# Altium PCB GND_Studio_PCB.PcbDoc (part 1 of 2)
Units mm, origin at the board's own origin, x right, y up, seen from the top; angles counter-clockwise.
Board outline 152.4 x 101.6 mm, 2 copper layers (Top Layer, Bottom Layer); 74 components, 140 nets, 477 pads, 95 vias.
Unrouted connection lines stored in the file: 3.
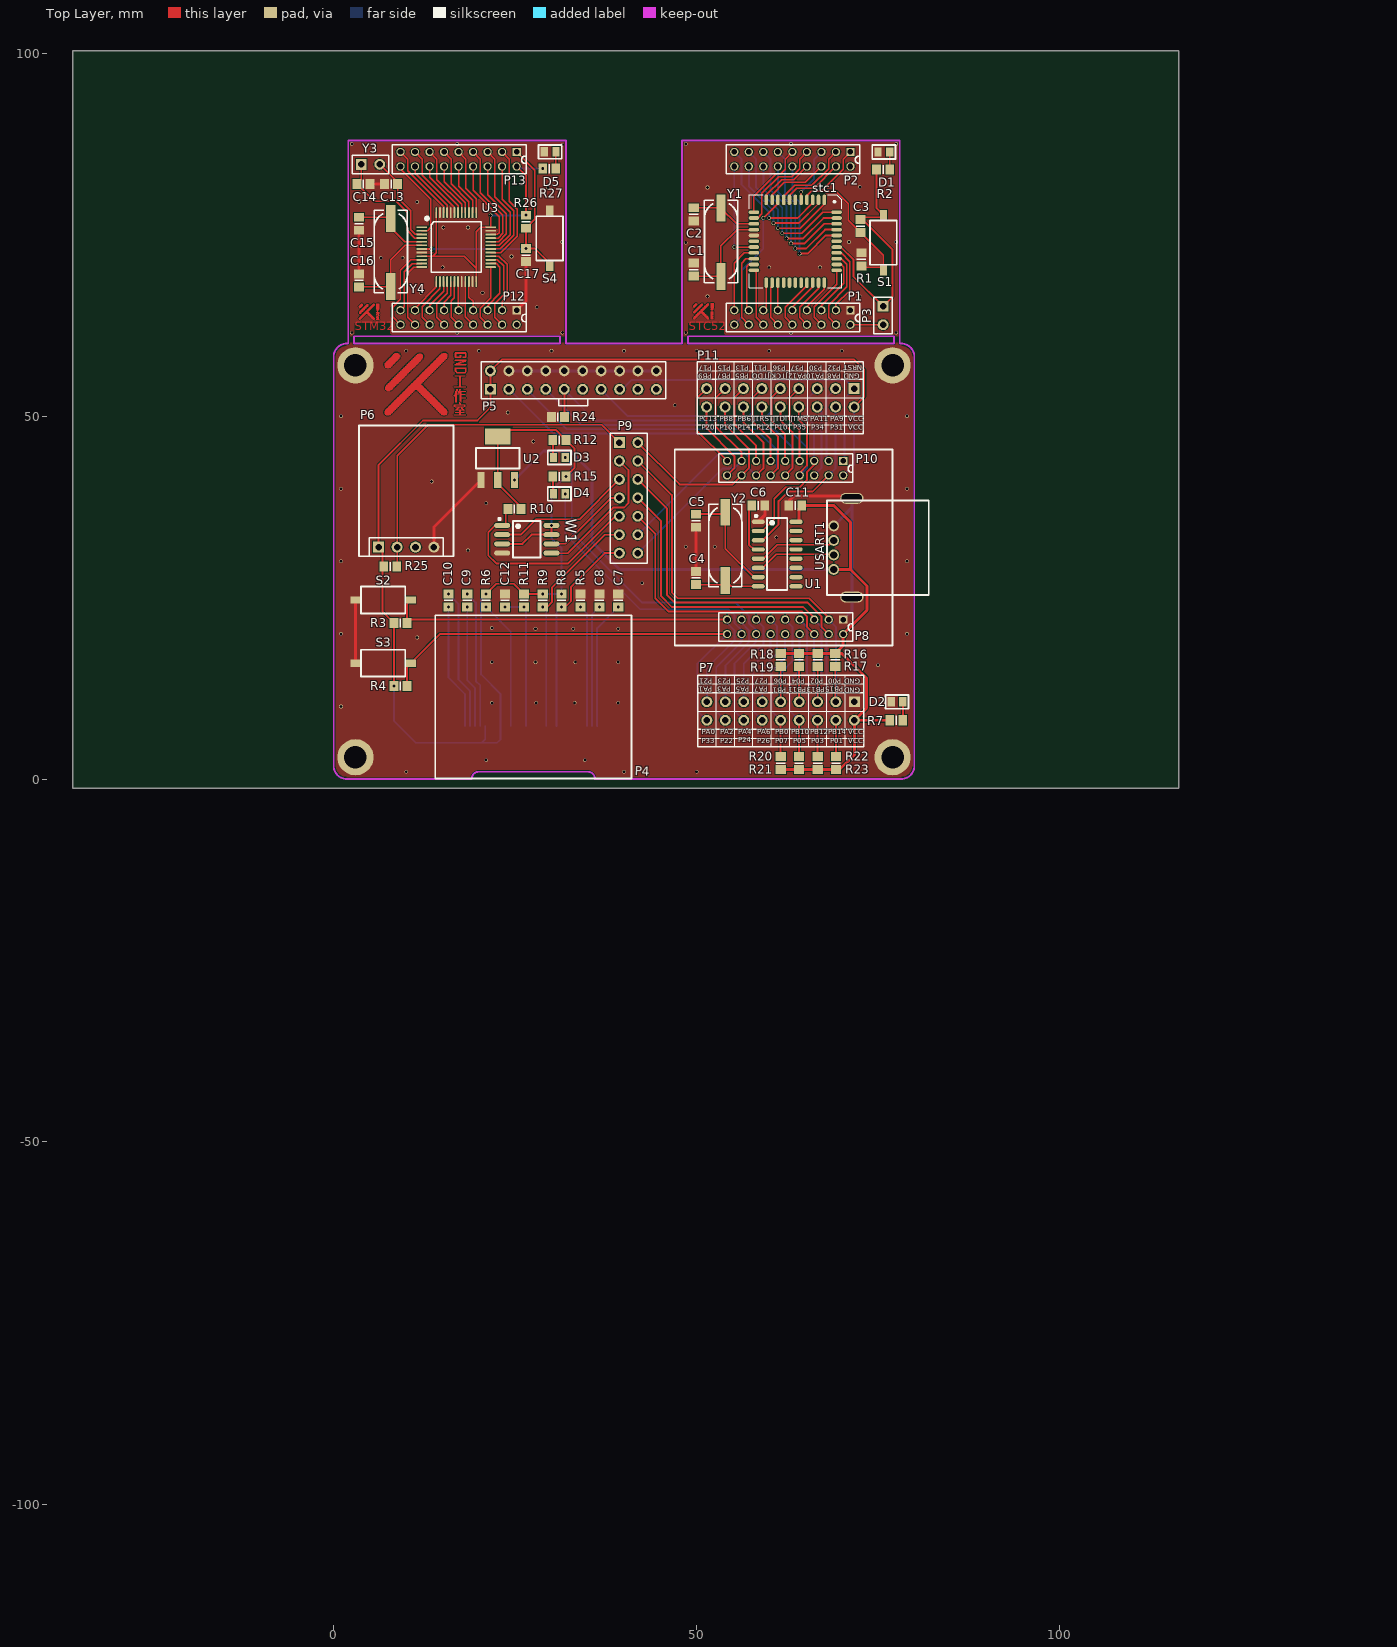
[diagram p0: Top Layer view]
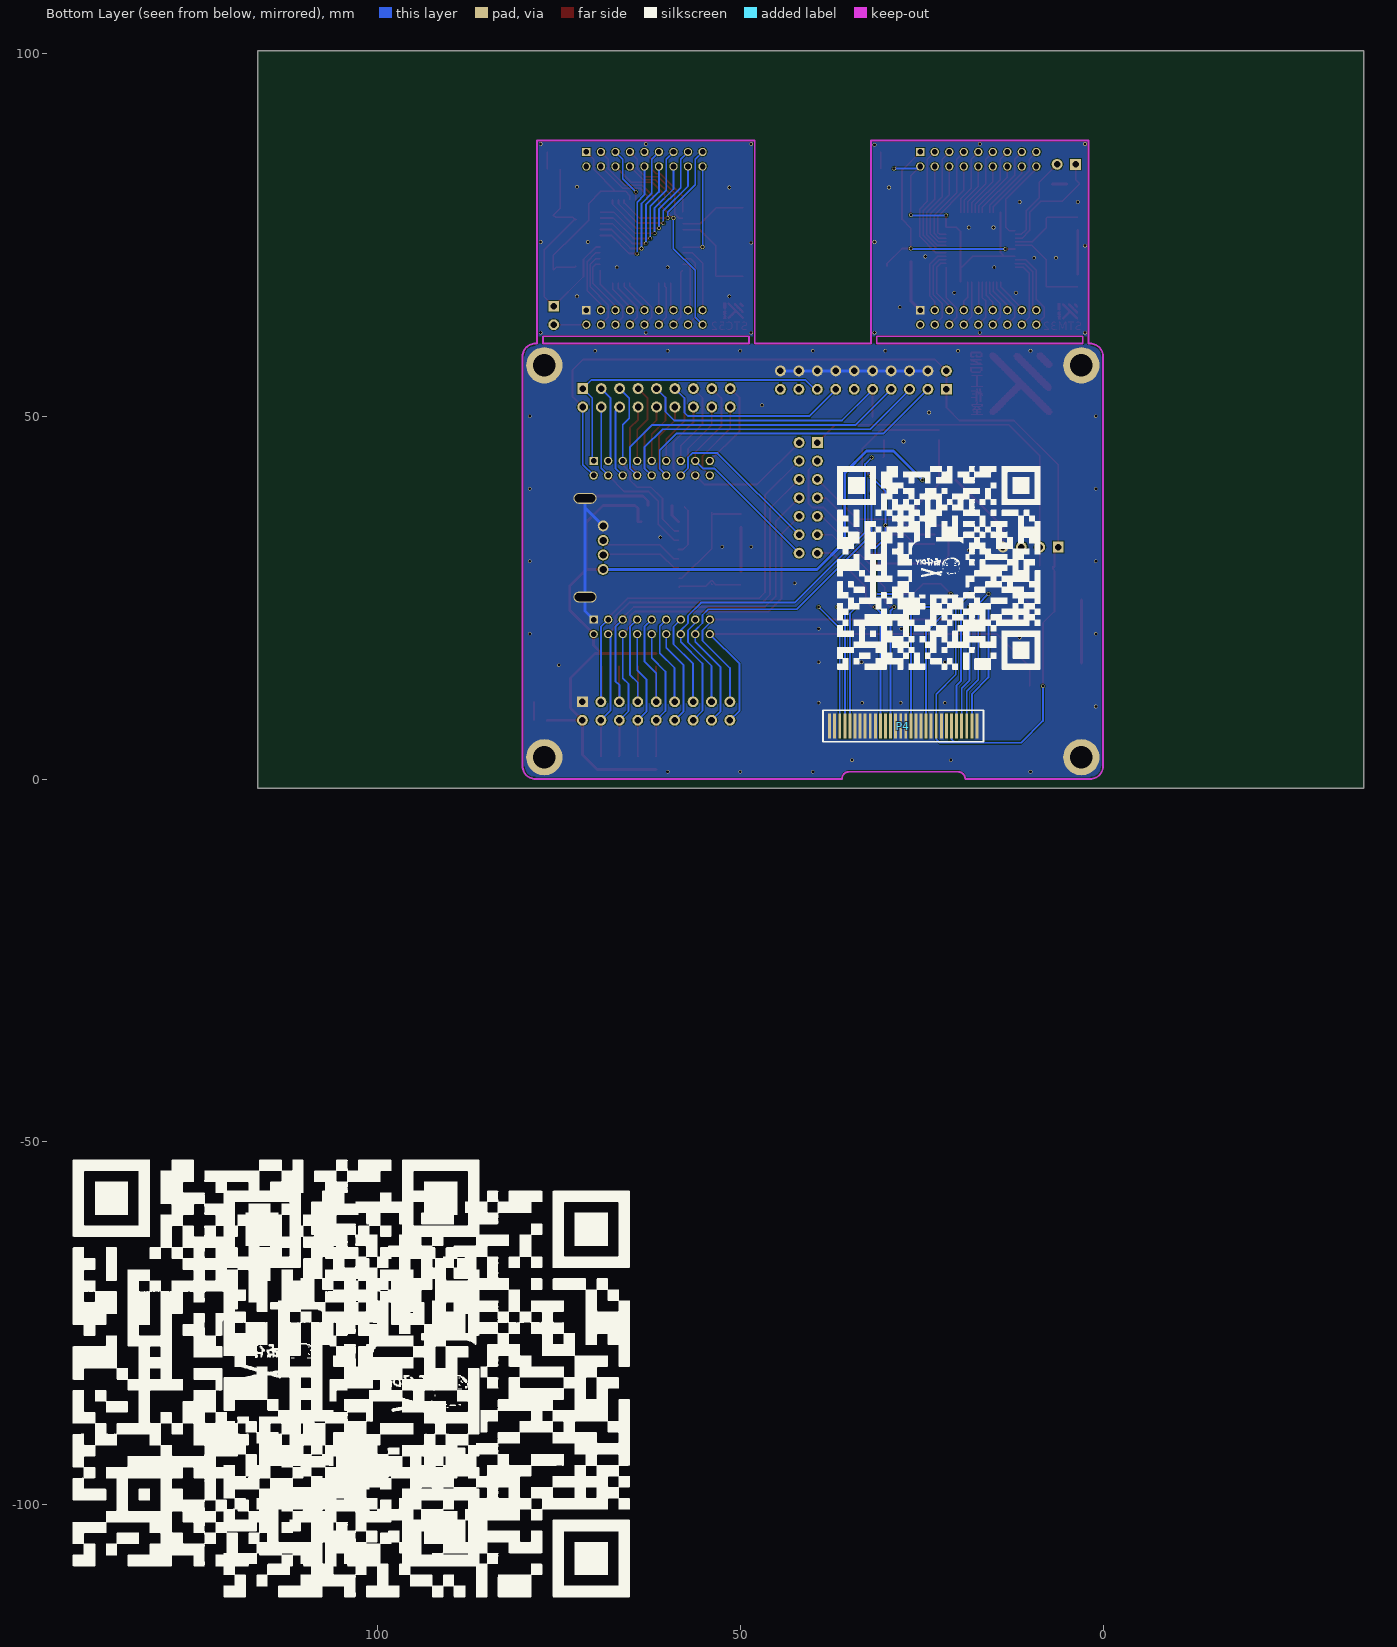
[diagram p1: Bottom Layer view, seen from below]

## Layer stack, top to bottom
Top Solder: solder mask 0.0102, Solder Resist, Dk 3.5
Top Layer: signal copper 0.0356
Dielectric 1: dielectric 0.32, FR-4, Dk 4.8
Bottom Layer: signal copper 0.0356
Bottom Solder: solder mask 0.0102, Solder Resist, Dk 3.5

## Board outline
-35.941,-1.27 116.459,-1.27 116.459,100.33 -35.941,100.33

## Design rules (kind name [scope] priority, off if disabled: settings)
Clearance [All] p1: gap=0.1
PlaneConnect [All] p1: planeconnectstyle=Direct reliefexpansion=0.508 reliefentries=4 reliefconductorwidth=0.254 reliefairgap=0.254
PolygonConnect [All] p1: connectstyle=Direct reliefconductorwidth=0.254 reliefentries=4 polygonreliefangle="90 Angle" airgapwidth=0.254
RoutingVias [All] p1: holewidth=0.1 width=4 viastyle="Through Hole" minholewidth=0.1 minwidth=0.1 maxholewidth=0.1 maxwidth=4
SolderMaskExpansion [All] p1: expansion=0.102
Width [All] p1: maxlimit=2 minlimit=0.1 preferedwidth=0.254
29 further rules are at their usual default settings.

## Classes and differential pairs
component class stm32_board: C13 C14 C15 C16 C17 D5 P12 P13 R26 R27 S4 U3 Y3 Y4
component class main_board: C4 C5 C6 C7 C8 C9 C10 C11 C12 D2 D3 D4 P4 P5 P6 P7 P8 P9 P10 P11 R3 R4 R5 R6 R7 R8 R9 R10 R11 R12 R15 R16 R17 R18 R19 R20 R21 R22 R23 R24 R25 S2 S3 U1 U2 USART1 W1 Y2
component class 51_board: C1 C2 C3 D1 P1 P2 P3 R1 R2 S1 stc1 Y1

## Components (designator, comment, footprint, x,y, rotation, side; value= is the part's Value field where it differs from the comment)
C1 "" 6-0805_N 49.6,70.2 r270 top
C2 "" 6-0805_N 49.6,77.8 r90 top
C3 "" 6-0805_N 72.6,76.2 r90 top
C4 "" 6-0805_N 49.9,27.7 r270 top
C5 "" 6-0805_N 49.9,35.6 r90 top
C6 "" 6-0805_N 58.5,37.7 r180 top
C7 "" 6-0805_N 39.2,24.6 r270 top
C8 "" 6-0805_N 36.6,24.6 r270 top
C9 "" 6-0805_N 18.4,24.6 r270 top
C10 "" 6-0805_N 15.8,24.6 r270 top
C11 "" 6-0805_N 63.6,37.7 r0 top
C12 "" 6-0805_N 23.6,24.6 r270 top
C13 "" 6-0805_N 7.9,82 r0 top
C14 "" 6-0805_N 4.1,82 r180 top
C15 "" 6-0805_N 3.5,76.5 r90 top
C16 "" 6-0805_N 3.5,68.7 r270 top
C17 "" 6-0805_N 26.5,72.2 r90 top
D1 "led" LED 75.779,86.378 r180 top
D2 "led" LED 77.6,10.6 r180 top
D3 "led" LED 31.121,44.322 r0 top
D4 "led" LED 31.121,39.322 r0 top
D5 "LED0" LED 29.8,86.4 r180 top
P1 "Header 9X2" XDR2x9_S 58.024,63.664 r0 top
P2 "Header 9X2" XDR2x9_S 58.024,85.464 r0 top
P3 "Header 2" HDR1X2 75.7,65.14 r270 top
P4 "0.96OLED" OLED 14,0.081 r0 bottom
P5 "Header 10X2" JLINK 33.03,54.97 r0 top
P6 "" DHT11 10,39.7 r0 top
P7 "Header 9X2" XDR2x9_L_1 73.007,4.433 r180 top
P8 "Header 9X2" XDR2x9_S 57.024,21.032 r0 top
P9 "Header 7X2" XDR2X7 40.63,38.74 r270 top
P10 "Header 9X2" XDR2x9_S 57.024,42.895 r0 top
P11 "Header 9X2" XDR2x9_L_2 72.97,47.577 r180 top
P12 "Header 9X2" XDR2x9_S 12.024,63.664 r0 top
P13 "Header 9X2" XDR2x9_S 12.024,85.464 r0 top
R1 "" 6-0805_N 72.7,71.6 r270 top
R2 "" 6-0805_N 75.7,84 r0 top
R3 "" 6-0805_N 9.2,21.5 r180 top
R4 "" 6-0805_N 9.2,12.8 r180 top
R5 "" 6-0805_N 34,24.6 r90 top
R6 "" 6-0805_N 21,24.6 r270 top
R7 "" 6-0805_N 77.5,8.1 r0 top
R8 "" 6-0805_N 31.4,24.6 r90 top
R9 "" 6-0805_N 28.8,24.6 r90 top
R10 "" 6-0805_N 24.9,37.2 r180 top
R11 "" 6-0805_N 26.2,24.6 r270 top
R12 "" 6-0805_N 31.1,46.7 r180 top
R15 "" 6-0805_N 31.1,41.7 r180 top
R16 "" 6-0805_N 69.1,16.4 r90 top
R17 "" 6-0805_N 66.7,16.4 r90 top
R18 "" 6-0805_N 64.1,16.4 r90 top
R19 "" 6-0805_N 61.6,16.4 r90 top
R20 "" 6-0805_N 61.6,2.2 r270 top
R21 "" 6-0805_N 64.1,2.2 r270 top
R22 "" 6-0805_N 66.7,2.2 r270 top
R23 "" 6-0805_N 69.2,2.2 r270 top
R24 "" 6-0805_N 30.9,49.9 r0 top
R25 "" 6-0805_N 7.8,29.3 r0 top
R26 "" 6-0805_N 26.5,76.8 r90 top
R27 "" 6-0805_N 29.7,84.1 r180 top
S1 "RST" SPST-2 75.8,73.9 r90 top
S2 "" SPST-2 6.8,24.6 r0 top
S3 "" SPST-2 6.8,15.9 r0 top
S4 "SW-PB" SPST-2 29.7,74.5 r270 top
stc1 "C52" LQFP44 63.409,73.831 r270 top
U1 "CH340G" SOIC-16_150mil 61.1,31 r270 top
U2 "ASM1117" SOT-223 22.6,44.2 r270 top
U3 "stm32f103C8T6" LQFP48 16.8,73.4 r0 top
USART1 "USB" USB 75,31.9 r270 top
W1 "U?" SOIC-8_208mil 26.6,33.035 r270 top
Y1 "11.0.952M" HC-49S 53.4,74 r90 top
Y2 "12M" HC-49S 54,32.1 r90 top
Y3 "32.768Hz" HDR1X2 3.8,84.7 r0 top
Y4 "8MHz" HC-49S 7.9,72.6 r90 top

## Footprints (in the part's own frame and the unit in brackets; to place one, negate y for a bottom-side part, rotate by r counter-clockwise, add the part's x,y. Pads: shape width x height; smd on the part's side, far side on the other; paste and mask are expansions set on the pad)
6-0805_N [mm] "Chip Resistor, Body 2.0x1.2mm, IPC Medium Density"
  rect 1.2x1.4 smd: 1(-0.9,0) 2(0.9,0)
  silkscreen extent 0,-0.6 0,0.6, body extent -1.07,-0.7 1.07,0.7, height 0.7
DHT11 [mm]
  rect 1.5x1.5 hole 0.9: 1(-3.81,-7.747)
  round 1.5 hole 0.9: 2(-1.27,-7.747) 3(1.27,-7.747) 4(3.81,-7.747)
  silkscreen extent -6.5,-9.02 6.5,9
HC-49S [mil]
  rect 146x51 smd: 1(-186.46,1.54) 2(183.54,1.54)
  silkscreen extent -221,-88 227,92, body extent -241,-91 243,94, height 169
HDR1X2 [mm] "Connector; Header; 2 Position"
  rect 1.5x1.5 hole 0.9: 1(0,0)
  round 1.5 hole 0.9: 2(2.54,0)
  silkscreen extent -1.27,-1.27 3.81,1.27
JLINK [mm]
  rect 1.5x1.5 hole 0.9: 1(-11.43,-1.27)
  round 1.5 hole 0.9: 2(-11.43,1.27) 3(-8.89,-1.27) 4(-8.89,1.27) 5(-6.35,-1.27) 6(-6.35,1.27) 7(-3.81,-1.27) 8(-3.81,1.27) 9(-1.27,-1.27) 10(-1.27,1.27) 11(1.27,-1.27) 12(1.27,1.27) 13(3.81,-1.27) 14(3.81,1.27) 15(6.35,-1.27) 16(6.35,1.27) 17(8.89,-1.27) 18(8.89,1.27) 19(11.43,-1.27) 20(11.43,1.27)
  silkscreen extent -12.7,-3.56 12.7,2.54
LED [mm]
  rect 1x1.3 smd: 1(-0.821,-0.022) 2(0.779,-0.022)
  silkscreen extent -1.62,-0.97 1.58,0.93, body extent -1.03,-0.65 0.99,0.6, height 1.1
LQFP44 [mm]
  oval 1.45x0.5 smd: 1(-5.969,4.191) 2(-5.969,3.391) 3(-5.969,2.591) 4(-5.969,1.791) 5(-5.969,0.991) 6(-5.969,0.191) 7(-5.969,-0.609) 8(-5.969,-1.409) 9(-5.969,-2.209) 10(-5.969,-3.009) 11(-5.969,-3.809) 23(5.431,-3.809) 24(5.431,-3.009) 25(5.431,-2.209) 26(5.431,-1.409) 27(5.431,-0.609) 28(5.431,0.191) 29(5.431,0.991) 30(5.431,1.791) 31(5.431,2.591) 32(5.431,3.391) 33(5.431,4.191)
  oval 0.5x1.45 smd: 12(-4.269,-5.509) 13(-3.469,-5.509) 14(-2.669,-5.509) 15(-1.869,-5.509) 16(-1.069,-5.509) 17(-0.269,-5.509) 18(0.531,-5.509) 19(1.331,-5.509) 20(2.131,-5.509) 21(2.931,-5.509) 22(3.731,-5.509) 34(3.731,5.891) 35(2.931,5.891) 36(2.131,5.891) 37(1.331,5.891) 38(0.531,5.891) 39(-0.269,5.891) 40(-1.069,5.891) 41(-1.869,5.891) 42(-2.669,5.891) 43(-3.469,5.891) 44(-4.269,5.891)
  silkscreen extent -6.64,-6.18 6.11,6.57
LQFP48 [mm]
  rect 1.5x0.25 smd: 1(-4.67,2.637)
  oval 1.5x0.25 smd: 2(-4.67,2.137) 3(-4.67,1.637) 4(-4.67,1.137) 5(-4.67,0.637) 6(-4.67,0.137) 7(-4.67,-0.363) 8(-4.67,-0.863) 9(-4.67,-1.363) 10(-4.67,-1.863) 11(-4.67,-2.363) 12(-4.67,-2.863) 25(4.83,-2.863) 26(4.83,-2.363) 27(4.83,-1.863) 28(4.83,-1.363) 29(4.83,-0.863) 30(4.83,-0.363) 31(4.83,0.137) 32(4.83,0.637) 33(4.83,1.137) 34(4.83,1.637) 35(4.83,2.137) 36(4.83,2.637)
  oval 0.25x1.5 smd: 13(-2.67,-4.863) 14(-2.17,-4.863) 15(-1.67,-4.863) 16(-1.17,-4.863) 17(-0.67,-4.863) 18(-0.17,-4.863) 19(0.33,-4.863) 20(0.83,-4.863) 21(1.33,-4.863) 22(1.83,-4.863) 23(2.33,-4.863) 24(2.83,-4.863) 37(2.83,4.637) 38(2.33,4.637) 39(1.83,4.637) 40(1.33,4.637) 41(0.83,4.637) 42(0.33,4.637) 43(-0.17,4.637) 44(-0.67,4.637) 45(-1.17,4.637) 46(-1.67,4.637) 47(-2.17,4.637) 48(-2.67,4.637)
  silkscreen extent -4.14,-3.58 3.54,4.04, body extent -4.45,-4.59 4.55,4.41, height 1.56
OLED [mm]
  rect 0.4x3.5 smd: 1(3.39,-7.219) 2(4.09,-7.219) 3(4.79,-7.219) 4(5.49,-7.219) 5(6.19,-7.219) 6(6.89,-7.219) 7(7.59,-7.219) 8(8.29,-7.219) 9(8.99,-7.219) 10(9.69,-7.219) 11(10.39,-7.219) 12(11.09,-7.219) 13(11.79,-7.219) 14(12.49,-7.219) 15(13.19,-7.219) 16(13.89,-7.219) 17(14.59,-7.219) 18(15.29,-7.219) 19(15.99,-7.219) 20(16.69,-7.219) 21(17.39,-7.219) 22(18.09,-7.219) 23(18.79,-7.219) 24(19.49,-7.219) 25(20.19,-7.219) 26(20.89,-7.219) 27(21.59,-7.219) 28(22.29,-7.219) 29(22.99,-7.219) 30(23.69,-7.219)
  silkscreen extent 2.5,-9.4 24.6,-5.06, body extent 0.15,-22.34 26.85,-0.12, height 0.22
SOIC-8_208mil [mm]
  oval 0.7x2.2 smd: 1(-1.905,-3.4) 2(-0.635,-3.4) 3(0.635,-3.4) 4(1.905,-3.4) 5(1.905,3.4) 6(0.635,3.4) 7(-0.635,3.4) 8(-1.905,3.4)
  silkscreen extent -2.95,-3.9 2.5,1.9
SOIC-16_150mil [mm]
  oval 0.6x1.8 smd: 1(-4.445,-2.6) 2(-3.175,-2.6) 3(-1.905,-2.6) 4(-0.635,-2.6) 5(0.635,-2.6) 6(1.905,-2.6) 7(3.175,-2.6) 8(4.445,-2.6) 9(4.445,2.6) 10(3.175,2.6) 11(1.905,2.6) 12(0.635,2.6) 13(-0.635,2.6) 14(-1.905,2.6) 15(-3.175,2.6) 16(-4.445,2.6)
  silkscreen extent -5.4,-3.05 4.97,1.4
SOT-223 [mm]
  rect 2.2x1 smd: 1(3,-2.3) 2(3,0) 3(3,2.3)
  rect 2.2x3.5 smd: 2(-3,0)
  silkscreen extent -1.4,-3 1.4,3, body extent -3.49,-3.24 3.49,3.24, height 1.64
SPST-2 [mm]
  rect 1.4x1 smd: 1(-3.797,0.061) 2(3.803,0.061)
  silkscreen extent -3.05,-1.79 3.05,1.91, body extent -4.07,-1.74 4.07,1.86, height 2.49
USB [mm]
  round 1.5 hole 1: 1(3.023,-6.11) 2(1.023,-6.11) 3(-0.977,-6.11) 4(-2.977,-6.11)
  oval 1.5x3.2 hole 2.8 slot 1.1 at 0 deg: 5(-6.777,-3.61) 6(6.823,-3.61)
  silkscreen extent -6.48,-7.01 6.52,6.99
XDR2X7 [mm]
  rect 1.5x1.5 hole 0.9: 1(-7.62,-1.27)
  round 1.5 hole 0.9: 2(-7.62,1.27) 3(-5.08,-1.27) 4(-5.08,1.27) 5(-2.54,-1.27) 6(-2.54,1.27) 7(0,-1.27) 8(0,1.27) 9(2.54,-1.27) 10(2.54,1.27) 11(5.08,-1.27) 12(5.08,1.27) 13(7.62,-1.27) 14(7.62,1.27)
  silkscreen extent -8.89,-2.54 9.02,2.54
XDR2x9_L_1 [mm]
  rect 1.5x1.5 hole 0.9: 1(1.267,-6.207)
  round 1.5 hole 0.9: 2(1.267,-3.667) 3(3.807,-6.207) 4(3.807,-3.667) 5(6.347,-6.207) 6(6.347,-3.667) 7(8.887,-6.207) 8(8.887,-3.667) 9(11.427,-6.207) 10(11.427,-3.667) 11(13.967,-6.207) 12(13.967,-3.667) 13(16.507,-6.207) 14(16.507,-3.667) 15(19.047,-6.207) 16(19.047,-3.667) 17(21.587,-6.207) 18(21.587,-3.667)
  silkscreen extent 0,-9.88 22.86,0.02
XDR2x9_L_2 [mm]
  rect 1.5x1.5 hole 0.9: 1(1.27,-6.223)
  round 1.5 hole 0.9: 2(1.27,-3.683) 3(3.81,-6.223) 4(3.81,-3.683) 5(6.35,-6.223) 6(6.35,-3.683) 7(8.89,-6.223) 8(8.89,-3.683) 9(11.43,-6.223) 10(11.43,-3.683) 11(13.97,-6.223) 12(13.97,-3.683) 13(16.51,-6.223) 14(16.51,-3.683) 15(19.05,-6.223) 16(19.05,-3.683) 17(21.59,-6.223) 18(21.59,-3.683)
  silkscreen extent 0,-9.89 22.86,0
XDR2x9_S [mil]
  rect 45x45 hole 30: 1(518.74,36.85)
  round 45 hole 30: 2(518.74,-41.89) 3(440,36.85) 4(440,-41.89) 5(361.26,36.85) 6(361.26,-41.89) 7(282.52,36.85) 8(282.52,-41.89) 9(203.78,36.85) 10(203.78,-41.89) 11(125.04,36.85) 12(125.04,-41.89) 13(46.3,36.85) 14(46.3,-41.89) 15(-32.44,36.85) 16(-32.44,-41.89) 17(-111.18,36.85) 18(-111.18,-41.89)
  silkscreen extent -155,-80 570,75

## Part data
C1 C2 C3 C4 C5 C6 C7 C8 C9 C10 C11 C12 C13 C14 C15 C16 C17: library part Cap, "Capacitor"
D1 D2 D3 D4: library part LED0, "Typical INFRARED GaAs LED"
D5: "Typical INFRARED GaAs LED"
P1 P2 P7 P8 P10 P11 P12 P13: "Header, 9-Pin, Dual row"
P3: "Header, 2-Pin"
P4: "接口"
P5: "Header, 10-Pin, Dual row"
P6: library part "Header 4", "Header, 4-Pin"
P9: "Header, 7-Pin, Dual row"
R1 R2 R7 R10 R12 R15: library part Res2, "Resistor"
R3 R4 R5 R6 R8 R9 R11 R16 R17 R18 R19 R20 R21 R22 R23 R24 R25 R26 R27: library part Res1, "Resistor"
S1 S2 S3: library part SW-PB, "Switch"
S4: "Switch"
W1: library part W25Q16
Y1 Y2 Y3 Y4: library part XTAL, "Crystal Oscillator"

## Free pads (board coordinates)
  round 5 hole 3.1: 0(3,3) 0(3,57) 0(77,3) 0(77,57)
  round 0.5 hole 0.4: 2(15.8,23.7) 4(21,23.7) 5(23.6,23.7) 6(26.2,23.7) 7(28.8,23.7) 8(31.4,23.7) 9(34,23.7) 10(36.6,23.7) 11(39.2,23.7) 12(15.8,25.5) 13(18.4,25.5) 16(31.9,44.3) 17(31.9,39.3) 18(28.8,84.1) 20(26.5,73.1) 21(26.5,77.7) 22(8.3,12.8) 23(31.4,25.5) 24(28.8,25.5) 26(30,34.94) 27(32,41.7) 28(18.4,23.7) 29(24.9,41.2)

## Via types
v1: diameter 0.5, hole 0.4, Top Layer to Bottom Layer, 95 vias

## Nets (pads, with @x,y where several pads share a name; then routed paths per layer and width w, separated by ;. In a path a pad name is that pad's centre, name@x,y a point inside that pad or via, vN(x,y) a via of type N, cw(c..) or ccw(c..) an arc to the next point about the centre after c; other vN are vias at no path point)
32_VCC_3V3: P13.2 pad.18 pad.21 R26.2 R27.2 U3.9 U3.24 U3.36 U3.48 | length 41.4
  Top Layer w0.254: U3.9@12.13,72.037 13.637,72.037 ; U3.48@14.13,78.037 14.13,72.53 13.637,72.037 ; U3.24@19.63,68.537 19.63,70.37 ; v1(21.63,77.67) U3.36@21.63,76.037 20.237,76.037 19.63,75.43 19.63,70.37 ; P13.2@25.2,84.4 26.5,83.1 pad.21@26.5,77.7 ; R27.2@28.5,84.4 pad.18@28.8,84.1 ; 13.637,72.037 17.963,72.037 19.63,70.37
  Bottom Layer w0.254: v1(21.63,77.67) 26.47,77.67 pad.21@26.5,77.7 ; P13.2@25.2,84.4 25.5,84.1 pad.18@28.8,84.1
32_VCC_5V: P12.2
51_VCC_3V3: P2.2
51_VCC_5V: C3.2 P3.1 R2.1 S1.2 stc1.38 | length 35.5
  Top Layer w0.254: stc1.38@69.3,73.3 69.9,73.3 71.6,71.6 71.6,69.24 P3.1@75.7,65.14 77,66.44 77,72.9 C3.2@72.8,77.1 ; C3.2@72.6,77.1 C3.2@72.8,77.1 ; R2.1@74.8,84 74.8,78.642 S1.2@75.739,77.703 75.436,77.4 73.1,77.4 C3.2@72.8,77.1
CS: P9.9 R10.2 W1.1 | length 29.5
  Top Layer w0.254: R10.2@24,37.2 23.7,36.9 23.7,35.105 23.535,34.94 W1.1@23.2,34.94 22.24,34.94 21.3,34 21.3,30.8 22.4,29.7 32.3,29.7 38.8,36.2 P9.9@39.36,36.2
DHT11: P6.2 P9.1 R25.2 | length 48.7
  Top Layer w0.2: R25.2@8.7,29.3 8.73,29.33 P6.2@8.73,31.953 8.73,44.53 13,48.8 36.92,48.8 P9.1@39.36,46.36
GND: C1.1 C2.1 C4.1 C5.1 C6.1 C7.1 C8.1 C11.1 C12.1 C13.1 C14.1 C15.1 C16.1 C17.1 D1.2 D2.2 D5.2 P1.1 P4.1 P4.8 P4.10 P4.12 P4.13 P4.15 P4.16 P4.17 P4.21 P4.22 P4.23 P4.24 P4.25 P4.29 P4.30 P5.4 P5.6 P5.8 P5.10 P5.12 P5.14 P5.16 P5.18 P5.20 P6.4 P7.1 P8.1 P12.1 pad.0 R1.1 R5.2 R24.1 S2.1 S3.1 S4.1 stc1.16 U1.1 U2.1 U3.8 U3.20 U3.23 U3.35 U3.44 U3.47 USART1.4 USART1.5 USART1.6 W1.4 | length 95.4
  Top Layer w0.4: S3.1@3.003,15.961 S2.1@3.003,24.661 ; C16.1@3.5,69.6 C15.1@3.5,75.6 ; C14.1@5,82 C13.1@7,82 ; P6.4@13.81,31.953 13.81,34.71 U2.1@20.3,41.2 ; P12.1@25.2,64.6 26.5,65.9 C17.1@26.5,71.3 ; C4.1@49.9,28.6 C5.1@49.9,34.7 ; U1.1@58.5,35.445 59.4,36.345 C6.1@59.4,37.7 ; C11.1@62.7,37.7 62.7,38.3 63.4,39 71.067,39 USART1.5@71.39,38.677
  Bottom Layer w0.4: P5.4@24.14,56.24 P5.6@26.68,56.24 P5.8@29.22,56.24 P5.10@31.76,56.24 P5.12@34.3,56.24 P5.14@36.84,56.24 P5.18@41.92,56.24 P5.20@44.46,56.24 ; USART1.4@68.89,34.877 71.39,37.377 ; P8.1@70.2,21.968 71.39,23.158 USART1.6@71.39,25.077 71.39,37.377 ; USART1.5@71.39,38.677 71.39,37.377
  other v1: 10,1 40,1 50,1 60,1 21,2.6 34.6,2.6 1,10 21.8,10.5 27.9,10.5 33.2,10.5 39.2,10.5 75,15.7 21.8,16.1 27.8,16.1 33.3,16.1 39.2,16.1 11.5,19.5 1,20 79,20 27.8,20.7 33,20.7 39.2,20.7 21.8,20.8 42.5,27 1,30 79,30 18.5,31.5 48.5,32 52.5,32 61,33.3 21,38 1,40 79,40 13.5,41 27.5,46.5 1,50 79,50 24,50.5 47,51.5 10,59 20,59 30,59 40,59 50,59 60,59 70,59 2.5,61.5 17,61.5 31.5,61.5 48.5,61.5 63,61.5 77.5,61.5 28,65 51.5,66.5 72.5,66.5 12,67 20.5,67 15,70.5 60,70.5 67,70.5 6.5,71.8 9.5,71.8 24.5,72 2.5,73.5 48.5,73.9 31.5,74 71,74 77.5,74 15.1,76 18.5,76 3.5,79.5 11.5,79.5 29.5,81.5 51.5,81.5 72.5,81.6 31.5,87.4 2.5,87.5 17,87.5 48.5,87.5 63,87.5 77.5,87.5
IN_5V: P1.2 P3.2 | length 4.5
  Top Layer w0.254: P1.2@71.2,62.6 P3.2@75.7,62.6
JTCK: P13.9 U3.37 | length 9.4
  Top Layer w0.2: P13.9@17.2,86.4 18.2,85.4 18.2,81.4 19.63,79.97 U3.37@19.63,78.037
JTDI: P13.10 U3.38 | length 7.2
  Top Layer w0.2: P13.10@17.2,84.4 17.2,81.7 19.13,79.77 U3.38@19.13,78.037
JTDO: P13.11 U3.39 | length 9.8
  Top Layer w0.2: P13.11@15.2,86.4 16.2,85.4 16.2,82 18.63,79.57 U3.39@18.63,78.037
JTMS: P13.8 U3.34 | length 11.9
  Top Layer w0.2: P13.8@19.2,84.4 19.2,81.1 22.8,77.5 22.8,75.3 22.537,75.037 U3.34@21.63,75.037
JTRST: P13.12 U3.40 | length 7.6
  Top Layer w0.2: P13.12@15.2,84.4 15.2,82.3 18.13,79.37 U3.40@18.13,78.037
M_NRST: P5.15 P10.1 P11.1 | length 44
  Bottom Layer w0.254: P5.15@39.42,53.36 41.06,55 70.5,55 P11.1@71.7,53.8 70.4,52.5 70.4,44.031 P10.1@70.2,43.831
MISO: P9.5 W1.2 | length 19.3
  Top Layer w0.254: W1.2@23.2,33.67 25.77,33.67 27.9,35.8 33.88,35.8 P9.5@39.36,41.28
MOSI: P9.3 W1.5 | length 19.8
  Top Layer w0.2: W1.5@30,31.13 32.23,31.13 32.65,31.55
  Top Layer w0.254: 32.65,31.55 38.5,37.4 40,37.4 40.6,38 40.6,42.58 P9.3@39.36,43.82
NetC1_2: C1.2 stc1.15 Y1.1 | length 13.4
  Top Layer w0.2: C1.2@49.6,69.3 53.325,69.3 Y1.1@53.361,69.264 53.361,73.461 55.6,75.7 stc1.15@57.9,75.7
NetC2_2: C2.2 stc1.14 Y1.2 | length 9.2
  Top Layer w0.2: C2.2@49.6,78.7 53.323,78.7 Y1.2@53.361,78.662 55.523,76.5 stc1.14@57.9,76.5
NetC4_2: C4.2 U1.8 Y2.1 | length 9.5
  Top Layer w0.2: C4.2@49.9,26.8 53.397,26.8 Y2.1@53.961,27.364 54.77,26.555 U1.8@58.305,26.555 ; U1.8@58.5,26.36 U1.8@58.305,26.555 ; U1.8@58.5,26.555 U1.8@58.305,26.555
  Top Layer w0.254: Y2.1@53.897,26.8 Y2.1@53.961,26.864
NetC5_2: C5.2 U1.7 Y2.2 | length 15.4
  Top Layer w0.2: Y2.2@53.961,36.762 53.961,36.262 53.961,31.739 58.07,27.63 U1.7@58.5,27.63
  Top Layer w0.254: C5.2@49.9,36.5 53.723,36.5 Y2.2@53.961,36.262
NetC6_2: C6.2 U1.4 | length 7
  Top Layer w0.254: C6.2@57.7,37.5 57.2,37 57.2,32.3 57.865,31.635 U1.4@58.5,31.635
NetC7_2: C7.2 P4.28 pad.11 | length 17.6
  Bottom Layer w0.254: P4.28@36.29,7.3 36.3,7.31 36.3,20.8 pad.11@39.2,23.7
NetC8_2: C8.2 P4.27 pad.10 | length 16.8
  Bottom Layer w0.254: P4.27@35.59,7.3 35.59,22.69 pad.10@36.6,23.7
NetC9_1: C9.1 P4.5 pad.13 | length 18.9
  Bottom Layer w0.254: pad.13@18.4,25.5 19.6,24.3 19.6,13.5 20.19,12.91 P4.5@20.19,7.3
NetC9_2: C9.2 P4.4 pad.28 | length 16.9
  Bottom Layer w0.254: pad.28@18.4,23.7 18.4,13.6 19.49,12.51 P4.4@19.49,7.3
NetC10_1: C10.1 P4.3 pad.12 | length 19.4
  Bottom Layer w0.254: pad.12@15.8,25.5 17.2,24.1 17.2,13.7 18.79,12.11 P4.3@18.79,7.3
NetC10_2: C10.2 P4.2 pad.2 | length 17.3
  Bottom Layer w0.254: pad.2@15.8,23.7 15.8,14 18.09,11.71 P4.2@18.09,7.3
NetC12_2: C12.2 P4.14 pad.5 pad.6 R11.2 | length 19.1
  Bottom Layer w0.254: pad.5@23.6,23.7 pad.6@26.2,23.7 26.49,23.41 P4.14@26.49,7.3
NetD1_1: D1.1 R2.2 | length 2.4
  Top Layer w0.2: R2.2@76.6,84 D1.1@76.6,86.4
NetD2_1: D2.1 R7.2 | length 2.5
  Top Layer w0.254: R7.2@78.4,8.1 78.421,8.121 D2.1@78.421,10.622
NetD3_1: D3.1 R12.2 | length 2.4
  Top Layer w0.254: R12.2@30.2,46.7 30.2,44.4 D3.1@30.3,44.3
NetD4_1: D4.1 R15.2 | length 2.4
  Top Layer w0.254: R15.2@30.2,41.7 30.2,39.4 D4.1@30.3,39.3
NetD5_1: D5.1 R27.1 | length 2.3
  Top Layer w0.2: R27.1@30.6,84.1 30.621,84.121 D5.1@30.621,86.422
NetP4_11: P4.11 pad.4 R6.2 | length 17.8
  Bottom Layer w0.254: pad.4@21,23.7 24.39,20.31 P4.11@24.39,7.3
NetP4_26: P4.26 pad.9 R5.1 | length 16.8
  Bottom Layer w0.254: pad.9@34,23.7 34.89,22.81 P4.26@34.89,7.3
NetU1_5: U1.5 USART1.3 | length 11.4
  Top Layer w0.2: U1.5@58.5,30.365 59.165,30.365 61.1,32.3 68.313,32.3 USART1.3@68.89,32.877 USART1.3@68.877,32.877
NetU1_6: U1.6 USART1.2 | length 11.2
  Top Layer w0.2: U1.6@58.5,29.095 59.095,29.095 61,31 68.767,31 USART1.2@68.89,30.877
NRST: C17.2 P13.1 pad.20 R26.1 S4.2 U3.7 | length 33.6
  Top Layer w0.254: U3.7@12.13,73.037 v1(13.463,73.037) ; P13.1@25.2,86.4 27.7,83.9 27.7,77.1 R26.1@26.5,75.9 pad.20@26.5,73.1 27.7,73.1 29.761,71.039 S4.2@29.761,70.697
  Bottom Layer w0.254: v1(13.463,73.037) pad.20@26.437,73.037
OSC_IN: C15.2 U3.5 Y4.2 | length 10.8
  Top Layer w0.2: C15.2@3.5,77.4 7.723,77.4 Y4.2@7.861,77.262 7.861,75.939 9.763,74.037 U3.5@12.13,74.037
OSC_OUT: C16.2 U3.6 Y4.1 | length 13.2
  Top Layer w0.2: C16.2@3.5,67.8 7.797,67.8 Y4.1@7.861,67.864 7.861,71.561 9.837,73.537 U3.6@12.13,73.537
P00: P1.3 stc1.37 | length 9.8
  Top Layer w0.2: P1.3@69.2,64.6 69.2,65.4 71.1,67.3 71.1,71.3 69.9,72.5 stc1.37@69.3,72.5
P00/PB15/MOSI: P7.3 P8.3 P9.4 R16.1 | length 60
  Top Layer w0.254: P9.4@41.9,43.82 46.6,39.12 46.6,25.7 47.4,24.9 65.5,24.9 68.2,22.2 P8.3@68.2,21.968 ; R16.1@69.1,15.5 69.1,10.74 P7.3@69.2,10.64
  Bottom Layer w0.254: P8.3@68.2,21.968 69.2,20.968 P7.3@69.2,10.64
P01: P1.4 stc1.36 | length 11.5
  Top Layer w0.2: P1.4@69.2,62.6 68.2,63.6 68.2,65.3 70.7,67.8 70.7,70.9 69.9,71.7 stc1.36@69.3,71.7
P01/PB14MISO: P7.4 P8.4 P9.6 R23.1 | length 60.5
  Top Layer w0.254: P9.6@41.9,41.28 45.9,37.28 45.9,25.4 47,24.3 65.3,24.3 67.2,22.4 67.2,20.968 P8.4@68.2,19.968 ; R23.1@69.2,3.1 P7.4@69.2,8.1
  Bottom Layer w0.254: P8.4@68.2,19.968 67.9,19.668 67.9,9.4 P7.4@69.2,8.1
P02: P1.5 stc1.35 | length 8.3
  Top Layer w0.2: P1.5@67.2,64.6 67.2,65.2 70.3,68.3 70.3,70.5 69.9,70.9 stc1.35@69.3,70.9
P02/PB13/SCK: P7.5 P8.5 P9.8 R17.1 | length 54.3
  Top Layer w0.254: P9.8@41.9,38.74 45.1,35.54 45.1,25.2 46.6,23.7 64.7,23.7 66.2,22.2 P8.5@66.2,21.968 ; P7.5@66.66,10.64 66.7,10.68 R17.1@66.7,15.5
  Bottom Layer w0.254: P8.5@66.2,21.968 67.2,20.968 67.2,13.5 66.66,12.96 P7.5@66.66,10.64
P03: P1.6 stc1.34 | length 9.2
  Top Layer w0.2: P1.6@67.2,62.6 66.2,63.6 66.2,65.1 69.3,68.2 stc1.34@69.3,70.1
P03/PB12/CS: P7.6 P8.6 P9.10 R22.1 | length 54.8
  Top Layer w0.254: P9.10@41.9,36.2 44.3,33.8 44.3,24.9 46.1,23.1 64.5,23.1 65.2,22.4 65.2,20.968 P8.6@66.2,19.968 ; P7.6@66.66,8.1 66.66,3.14 R22.1@66.7,3.1
  Bottom Layer w0.254: P8.6@66.2,19.968 66.2,13.9 65.4,13.1 65.4,9.36 P7.6@66.66,8.1
P04: P1.7 stc1.33 | length 4.8
  Top Layer w0.2: P1.7@65.2,64.6 65.2,65.1 67.6,67.5 stc1.33@67.6,68.4
P04/PB11: P7.7 P8.7 R18.1 | length 17.1
  Top Layer w0.254: R18.1@64.1,15.5 64.1,10.66 P7.7@64.12,10.64
  Bottom Layer w0.254: P7.7@64.12,10.64 64.12,13.3 65.2,14.38 65.2,20.968 P8.7@64.2,21.968
P05: P1.8 stc1.32 | length 7.3
  Top Layer w0.2: P1.8@65.2,62.6 64.2,63.6 64.2,65 66.8,67.6 stc1.32@66.8,68.4
P05/PB10: P7.8 P8.8 R21.1 | length 17.9
  Top Layer w0.254: R21.1@64.1,3.1 64.12,3.12 P7.8@64.12,8.1
  Bottom Layer w0.254: P7.8@64.12,8.1 62.9,9.32 62.9,13.7 64.2,15 P8.8@64.2,19.968
P06: P1.9 stc1.31 | length 5
  Top Layer w0.2: P1.9@63.2,64.6 63.2,65 66,67.8 stc1.31@66,68.4
P06/PB1: P7.9 P8.9 R19.1 | length 17.3
  Top Layer w0.254: P7.9@61.58,10.64 61.6,10.66 R19.1@61.6,15.5
  Bottom Layer w0.254: P7.9@61.58,10.64 61.58,14.6 63.2,16.22 63.2,20.968 P8.9@62.2,21.968
P07: P1.10 stc1.30 | length 7.5
  Top Layer w0.2: P1.10@63.2,62.6 62.2,63.6 62.2,65 65.2,68 stc1.30@65.2,68.4
P07/PB0: P7.10 P8.10 R20.1 | length 18.2
  Top Layer w0.254: P7.10@61.58,8.1 61.58,3.12 R20.1@61.6,3.1
  Bottom Layer w0.254: P7.10@61.58,8.1 60.3,9.38 60.3,14.8 62.2,16.7 P8.10@62.2,19.968
P10: P2.10 stc1.40 | length 18.5
  Top Layer w0.254: v1(64.2,72.4) 65.3,72.4 67.8,74.9 stc1.40@69.3,74.9
  Bottom Layer w0.254: P2.10@63.2,84.4 63.2,80.5 64.2,79.5 v1(64.2,72.4)
P10/JTDI: P5.5 P10.10 P11.10 | length 54.5
  Top Layer w0.254: P11.10@61.54,51.26 61.54,49.46 63.2,47.8 63.2,42.831 P10.10@62.2,41.831
  Bottom Layer w0.254: P5.5@26.72,53.36 26.94,53.36 32.1,48.2 60.7,48.2 63.2,45.7 63.2,42.831 P10.10@62.2,41.831
P11: P2.11 stc1.41 | length 21.1
  Top Layer w0.254: v1(63.6,73.1) 65.1,73.1 67.7,75.7 stc1.41@69.3,75.7
  Bottom Layer w0.254: P2.11@61.2,86.4 62.2,85.4 62.2,80.7 63.6,79.3 v1(63.6,73.1)
P11/JTDO: P5.13 P10.11 P11.11 | length 37.8
  Top Layer w0.254: P11.11@59,53.8 57.7,52.5 57.7,49.3 60.2,46.8 P10.11@60.2,43.831
  Bottom Layer w0.254: P5.13@36.88,53.36 37.14,53.36 40.5,50 57.2,50 57.7,50.5 57.7,52.5 P11.11@59,53.8
P12: P2.12 stc1.42 | length 18.8
  Top Layer w0.254: v1(63,73.8) 64.9,73.8 67.6,76.5 stc1.42@69.3,76.5
  Bottom Layer w0.254: P2.12@61.2,84.4 61.2,80.9 63,79.1 v1(63,73.8)
P12/JTRST: P5.3 P10.12 P11.12 | length 54.9
  Top Layer w0.254: P11.12@59,51.26 59,49.4 61.2,47.2 61.2,42.8 60.231,41.831 P10.12@60.2,41.831
  Bottom Layer w0.254: P5.3@24.18,53.36 24.54,53.36 30.3,47.6 58.8,47.6 61.1,45.3 61.1,42.731 P10.12@60.2,41.831
P13: P2.13 stc1.43 | length 21.3
  Top Layer w0.254: v1(62.4,74.5) 64.7,74.5 67.5,77.3 stc1.43@69.3,77.3
  Bottom Layer w0.254: P2.13@59.2,86.4 60.2,85.4 60.2,81.1 62.4,78.9 v1(62.4,74.5)
P13/PB5: P10.13 P11.13 | length 11.7
  Top Layer w0.254: P11.13@56.46,53.8 55.2,52.54 55.2,48.9 58.2,45.9 P10.13@58.2,43.831
P14: P2.14 stc1.44 | length 19
  Top Layer w0.254: v1(61.8,75.2) 64.5,75.2 67.4,78.1 stc1.44@69.3,78.1
  Bottom Layer w0.254: P2.14@59.2,84.4 59.2,81.3 61.8,78.7 v1(61.8,75.2)
P14/PB6/SCL: P9.12 P10.14 P11.14 | length 34.1
  Top Layer w0.254: P11.14@56.46,51.26 56.46,49.14 59.2,46.4 59.2,42.8 58.231,41.831 P10.14@58.2,41.831
  Bottom Layer w0.254: P9.12@41.9,33.66 53.14,44.9 56.6,44.9 57.2,44.3 57.2,42.831 P10.14@58.2,41.831
P15: P2.15 stc1.1 | length 20.5
  Top Layer w0.254: v1(61.2,75.9) 64.3,75.9 67.6,79.2 stc1.1@67.6,79.8
  Bottom Layer w0.254: P2.15@57.2,86.4 58.2,85.4 58.2,81.5 61.2,78.5 v1(61.2,75.9)
P15/PB7/SDA: P9.14 P10.15 P11.15 | length 31.6
  Top Layer w0.254: P11.15@53.92,53.8 52.6,52.48 52.6,48.6 56.2,45 P10.15@56.2,43.831
  Bottom Layer w0.254: P9.14@41.9,31.12 53.58,42.8 55.169,42.8 P10.15@56.2,43.831
P16: P2.16 stc1.2 | length 17
  Top Layer w0.254: v1(60.6,76.6) 64.1,76.6 66.8,79.3 stc1.2@66.8,79.8
  Bottom Layer w0.254: P2.16@57.2,84.4 57.2,81.7 60.6,78.3 v1(60.6,76.6)
P16/PB8/DHT11: P9.2 P10.16 P11.16 | length 28.4
  Top Layer w0.254: P9.2@41.9,46.36 47.66,40.6 54.969,40.6 P10.16@56.2,41.831 57.2,42.831 57.2,45.5 53.92,48.78 P11.16@53.92,51.26
P17: P2.17 stc1.3 | length 18.4
  Top Layer w0.254: v1(60,77.3) 63.927,77.3 66,79.373 stc1.3@66,79.8
  Bottom Layer w0.254: P2.17@55.2,86.4 56.2,85.4 56.2,81.9 60,78.1 v1(60,77.3)
P17/PB9/LED: P10.17 P11.17 | length 12.2
  Top Layer w0.254: P11.17@51.38,53.8 50.1,52.52 50.1,47.931 P10.17@54.2,43.831
P20: P2.18 stc1.18 | length 13.8
  Top Layer w0.2: v1(55.2,73.3) stc1.18@57.9,73.3
  Bottom Layer w0.2: v1(55.2,73.3) P2.18@55.2,84.4
P20/PC13: P10.18 P11.18 | length 11.4
  Top Layer w0.254: P11.18@51.38,51.26 51.38,48.32 55.2,44.5 55.2,42.831 P10.18@54.2,41.831
P21: P1.17 stc1.19 | length 9.8
  Top Layer w0.2: P1.17@55.2,64.6 55.2,71.1 56.6,72.5 stc1.19@57.9,72.5
P21/PA1/KEY1: P7.17 P8.17 R3.1 S2.2 | length 60.5
  Top Layer w0.254: S2.2@10.603,24.661 10.1,24.158 10.1,21.8 10.268,21.968 P8.17@54.2,21.968
  Bottom Layer w0.254: P7.17@51.42,10.64 51.42,15.3 55.2,19.08 55.2,20.5 54.2,21.5 P8.17@54.2,21.968
P22: P1.16 stc1.20 | length 10.9
  Top Layer w0.2: P1.16@57.2,62.6 56.2,63.6 56.2,71.1 56.8,71.7 stc1.20@57.9,71.7
P22/PA2/LED1: D4.2 P7.16 P8.16 pad.17 | length 50.4
  Bottom Layer w0.254: pad.17@31.9,39.3 31.9,33.7 42.2,23.4 54.4,23.4 55.2,22.6 55.2,21.5 56.2,20.5 P8.16@56.2,19.968 56.2,18.9 52.7,15.4 52.7,9.36 P7.16@53.96,8.1
P23: P1.15 stc1.21 | length 7.2
  Top Layer w0.2: P1.15@57.2,64.6 56.9,64.9 56.9,70.6 57.2,70.9 stc1.21@57.9,70.9
P23/PA3: P7.15 P8.15 | length 13.1
  Bottom Layer w0.254: P7.15@53.96,10.64 53.96,15.6 57.2,18.84 57.2,20.5 56.2,21.5 P8.15@56.2,21.968
P24: P1.14 stc1.22 | length 8
  Top Layer w0.2: stc1.22@57.9,70.1 58.2,69.8 58.2,63.6 P1.14@59.2,62.6
P24/PA4/LED2: D3.2 P7.14 P8.14 pad.16 | length 56.4
  Bottom Layer w0.254: pad.16@31.9,44.3 32.8,43.4 32.8,34 42.5,24.3 55.4,24.3 57.2,22.5 57.2,21.469 58.2,20.469 P8.14@58.2,19.968 58.2,18.9 55.2,15.9 55.2,9.4 P7.14@56.5,8.1
P25: P1.13 stc1.23 | length 4
  Top Layer w0.2: P1.13@59.2,64.6 59.6,65 stc1.23@59.6,68.4
P25/PA5: P7.13 P8.13 | length 12.9
  Bottom Layer w0.254: P7.13@56.5,10.64 56.5,15.9 59.2,18.6 59.2,20.968 P8.13@58.2,21.968
P26: P1.12 stc1.24 | length 6.3
  Top Layer w0.2: stc1.24@60.4,68.4 60.4,67.9 60.2,67.7 60.2,63.6 P1.12@61.2,62.6
P26/PA6: P7.12 P8.12 | length 13.4
  Bottom Layer w0.254: P7.12@59.04,8.1 57.8,9.34 57.8,15.7 60.2,18.1 P8.12@60.2,19.968
P27: P1.11 stc1.25 | length 3.8
  Top Layer w0.2: P1.11@61.2,64.6 stc1.25@61.2,68.4
P27/PA7: P7.11 P8.11 | length 12.6
  Bottom Layer w0.254: P7.11@59.04,10.64 59.04,15.3 61.1,17.36 61.1,21.068 P8.11@60.2,21.968
P30: P2.5 stc1.5 | length 7.8
  Top Layer w0.254: stc1.5@64.4,79.8 v1(64.4,80.9)
  Bottom Layer w0.254: v1(64.4,80.9) 66.2,82.7 66.2,85.4 P2.5@67.2,86.4
P30/PA10/RX: P10.5 P11.5 U1.2 | length 25.2
  Top Layer w0.254: U1.2@58.5,34.175 59.075,34.175 60.7,35.8 60.7,38.6 62.3,40.2 64.2,40.2 65.2,41.2 65.2,42.3 66.2,43.3 P10.5@66.2,43.831
  Bottom Layer w0.254: P10.5@66.2,43.831 66.2,48.8 65.3,49.7 65.3,52.48 P11.5@66.62,53.8
P31: P2.4 stc1.7 | length 8.7
  Top Layer w0.2: stc1.7@62.8,79.8 62.8,80.4 63.8,81.4 66.2,81.4 P2.4@69.2,84.4
P31/PA9/TX: P10.4 P11.4 U1.3 | length 25.1
  Top Layer w0.254: U1.3@58.5,32.905 59.105,32.905 61.3,35.1 61.3,38.3 62.6,39.6 65.969,39.6 P10.4@68.2,41.831
  Bottom Layer w0.254: P10.4@68.2,41.831 69.16,42.791 P11.4@69.16,51.26
P32: P2.3 stc1.8 | length 11
  Top Layer w0.2: stc1.8@62,79.8 62,80.3 63.5,81.8 65.9,81.8 68.2,84.1 68.2,85.4 P2.3@69.2,86.4
P32/PA8: P10.3 P11.3 | length 10.6
  Bottom Layer w0.254: P10.3@68.2,43.831 67.9,44.131 67.9,52.54 P11.3@69.16,53.8
P33: P1.18 stc1.9 | length 19.7
  Top Layer w0.2: v1(59.2,77.3) 61.2,79.3 stc1.9@61.2,79.8
  Bottom Layer w0.2: P1.18@55.2,62.6 56.2,63.6 56.2,70.1 59.2,73.1 v1(59.2,77.3)
P33/PA0/KEY3: P7.18 P8.18 R4.1 S3.2 | length 62.7
  Top Layer w0.254: R4.1@10.1,12.8 10.1,15.458 S3.2@10.603,15.961 14.61,19.968 P8.18@54.2,19.968
  Bottom Layer w0.254: P7.18@51.42,8.1 50.1,9.42 50.1,15.868 P8.18@54.2,19.968
P34: P2.6 stc1.10 | length 9.1
  Top Layer w0.2: stc1.10@60.4,79.8 60.4,80.5 62.1,82.2 65,82.2 P2.6@67.2,84.4
P34/PA11: P10.6 P11.6 | length 10.1
  Bottom Layer w0.254: P10.6@66.2,41.831 67.2,42.831 67.2,50.68 P11.6@66.62,51.26
P35: P2.8 stc1.11 | length 7.9
  Top Layer w0.2: stc1.11@59.6,79.8 59.6,80.5 61.7,82.6 63.4,82.6 P2.8@65.2,84.4
P35/JTMS: P5.7 P10.8 P11.8 | length 53.7
  Top Layer w0.254: P11.8@64.08,51.26 64.08,49.52 65.2,48.4 65.2,43.2 64.2,42.2 P10.8@64.2,41.831
  Bottom Layer w0.254: P5.7@29.26,53.36 29.54,53.36 34.1,48.8 62.1,48.8 65.2,45.7 65.2,42.831 P10.8@64.2,41.831
P36: P2.9 stc1.12 | length 10.8
  Top Layer w0.2: stc1.12@57.9,78.1 57.9,80.3 61,83.4 61.6,83.4 62.2,84 62.2,85.4 P2.9@63.2,86.4
P36/JTCK: P5.9 P10.9 P11.9 R24.2 | length 49.1
  Top Layer w0.254: R24.2@31.8,49.9 P5.9@31.8,53.36 ; P11.9@61.54,53.8 60.3,52.56 60.3,49.4 62.2,47.5 P10.9@62.2,43.831
  Bottom Layer w0.254: P5.9@31.8,53.36 32.04,53.36 36,49.4 59.1,49.4 60.3,50.6 60.3,52.56 P11.9@61.54,53.8
P37: P2.7 stc1.13 | length 13.5
  Top Layer w0.2: stc1.13@57.9,77.3 58.4,77.3 59,77.9 59,80.7 61.3,83 63.1,83 64.2,84.1 64.2,85.4 P2.7@65.2,86.4
P37/PA12: P10.7 P11.7 | length 11.1
  Top Layer w0.254: P11.7@64.08,53.8 62.8,52.52 62.8,49.5 64.2,48.1 P10.7@64.2,43.831
PA0: P12.18 U3.10 | length 11.9
  Top Layer w0.2: P12.18@9.2,62.6 8.1,63.7 8.1,65 9.2,66.1 9.2,70.1 10.637,71.537 U3.10@12.13,71.537
PA1: P12.17 U3.11 | length 8.4
  Top Layer w0.2: P12.17@9.2,64.6 9.7,65.1 9.7,69.9 10.8,71 12.093,71 U3.11@12.13,71.037
PA2: P12.16 U3.12 | length 9.8
  Top Layer w0.2: P12.16@11.2,62.6 10.2,63.6 10.2,69.7 11.037,70.537 U3.12@12.13,70.537
PA3: P12.15 U3.13 | length 5.2
  Top Layer w0.2: P12.15@11.2,64.6 11.2,64.9 14.13,67.83 U3.13@14.13,68.537
PA4: P12.14 U3.14 | length 7.4
  Top Layer w0.2: P12.14@13.2,62.6 12.2,63.6 12.2,65.1 14.63,67.53 U3.14@14.63,68.537
PA5: P12.13 U3.15 | length 4.7
  Top Layer w0.2: P12.13@13.2,64.6 13.2,65.3 15.13,67.23 U3.15@15.13,68.537
PA6: P12.12 U3.16 | length 6.9
  Top Layer w0.2: P12.12@15.2,62.6 14.2,63.6 14.2,65.5 15.63,66.93 U3.16@15.63,68.537
PA7: P12.11 U3.17 | length 4.3
  Top Layer w0.2: P12.11@15.2,64.6 15.2,65.7 16.13,66.63 U3.17@16.13,68.537
PA8: P13.3 U3.29 | length 17.1
  Top Layer w0.2: U3.29@21.63,72.537 23.037,72.537 25.3,74.8 25.3,78.5 24.2,79.6 24.2,85.4 P13.3@23.2,86.4
PA9: P13.4 U3.30 | length 14.1
  Top Layer w0.2: U3.30@21.63,73.037 22.937,73.037 24.8,74.9 24.8,78.3 23.2,79.9 P13.4@23.2,84.4
PA10: P13.5 U3.31 | length 16
  Top Layer w0.2: P13.5@21.2,86.4 22.2,85.4 22.2,80.2 24.3,78.1 24.3,75 22.837,73.537 U3.31@21.63,73.537
PA11: P13.6 U3.32 | length 13
  Top Layer w0.2: P13.6@21.2,84.4 21.2,80.5 23.8,77.9 23.8,75.1 22.737,74.037 U3.32@21.63,74.037
PA12: P13.7 U3.33 | length 14.8
  Top Layer w0.2: P13.7@19.2,86.4 20.2,85.4 20.2,80.8 23.3,77.7 23.3,75.2 22.637,74.537 U3.33@21.63,74.537
PB0: P12.10 U3.18 | length 6.5
  Top Layer w0.2: U3.18@16.63,68.537 16.63,66.33 16.2,65.9 16.2,63.6 P12.10@17.2,62.6
PB1: P12.9 U3.19 | length 4
  Top Layer w0.2: U3.19@17.13,68.537 17.13,64.67 P12.9@17.2,64.6
PB5: P13.13 U3.41 | length 10.2
  Top Layer w0.2: P13.13@13.2,86.4 14.2,85.4 14.2,82.6 17.63,79.17 U3.41@17.63,78.037
PB6: P13.14 U3.42 | length 8
  Top Layer w0.2: P13.14@13.2,84.4 13.2,82.9 17.13,78.97 U3.42@17.13,78.037
PB7: P13.15 U3.43 | length 10.6
  Top Layer w0.2: P13.15@11.2,86.4 12.2,85.4 12.2,83.2 16.63,78.77 U3.43@16.63,78.037
PB8: P13.16 U3.45 | length 8.2
  Top Layer w0.2: P13.16@11.2,84.4 11.2,83.5 15.63,79.07 U3.45@15.63,78.037
PB9: P13.17 U3.46 | length 10.8
  Top Layer w0.2: P13.17@9.2,86.4 10.2,85.4 10.2,83.8 15.13,78.87 U3.46@15.13,78.037
PB10: P12.8 U3.21 | length 6.4
  Top Layer w0.2: U3.21@18.13,68.537 18.13,63.67 P12.8@19.2,62.6
PB11: P12.7 U3.22 | length 4.2
  Top Layer w0.2: U3.22@18.63,68.537 18.63,66.37 19.2,65.8 P12.7@19.2,64.6
PB12: P12.6 U3.25 | length 8.9
  Top Layer w0.2: P12.6@21.2,62.6 20.2,63.6 20.2,64.9 21.63,66.33 U3.25@21.63,70.537
PB13: P12.5 U3.26 | length 8.1
  Top Layer w0.2: P12.5@21.2,64.6 21.2,65.2 22.9,66.9 22.9,70.5 22.363,71.037 U3.26@21.63,71.037
PB14: P12.4 U3.27 | length 11.1
  Top Layer w0.2: U3.27@21.63,71.537 22.563,71.537 23.4,70.7 23.4,66.7 22.2,65.5 22.2,63.6 P12.4@23.2,62.6
PB15: P12.3 U3.28 | length 9.3
  Top Layer w0.2: U3.28@21.63,72.037 22.763,72.037 23.9,70.9 23.9,66.571 23.2,65.771 P12.3@23.2,64.6
PC13: P13.18 U3.2 | length 11.6
  Top Layer w0.2: P13.18@9.2,84.4 9.2,84.1 13.4,79.9 13.4,76 12.937,75.537 U3.2@12.13,75.537
PC14: C13.2 U3.3 Y3.2 | length 12.6
  Top Layer w0.2: Y3.2@6.34,84.7 8.8,82.24 C13.2@8.8,82 8.8,80.1 10.6,78.3 10.6,75.7 11.263,75.037 U3.3@12.13,75.037
PC15: C14.2 U3.4 Y3.1 | length 16.4
  Top Layer w0.2: Y3.1@3.8,84.7 3.8,82.6 C14.2@3.2,82 5.6,79.6 8.6,79.6 10.1,78.1 10.1,75.6 11.163,74.537 U3.4@12.13,74.537
RST: C3.1 P2.1 R1.2 S1.1 stc1.4 | length 28.9
  Top Layer w0.2: stc1.4@65.2,79.8 65.2,80.4 65.8,81 67.2,81 ; P2.1@71.2,86.4 70.2,85.4 70.2,84 67.2,81 ; R1.2@72.6,70.7 72.8,70.5 75.342,70.5 S1.1@75.739,70.103 75.739,72.161 C3.1@72.6,75.3 70.9,77 70.9,79.3 69.2,81 67.2,81
SCK: P9.7 W1.6 | length 12
  Top Layer w0.2: W1.6@30,32.4 31.9,32.4 32.6,33.1
  Top Layer w0.254: 32.6,33.1 38.24,38.74 P9.7@39.36,38.74